# Altium PCB PM12_CFD.PcbDoc (part 7 of 12) (continued)
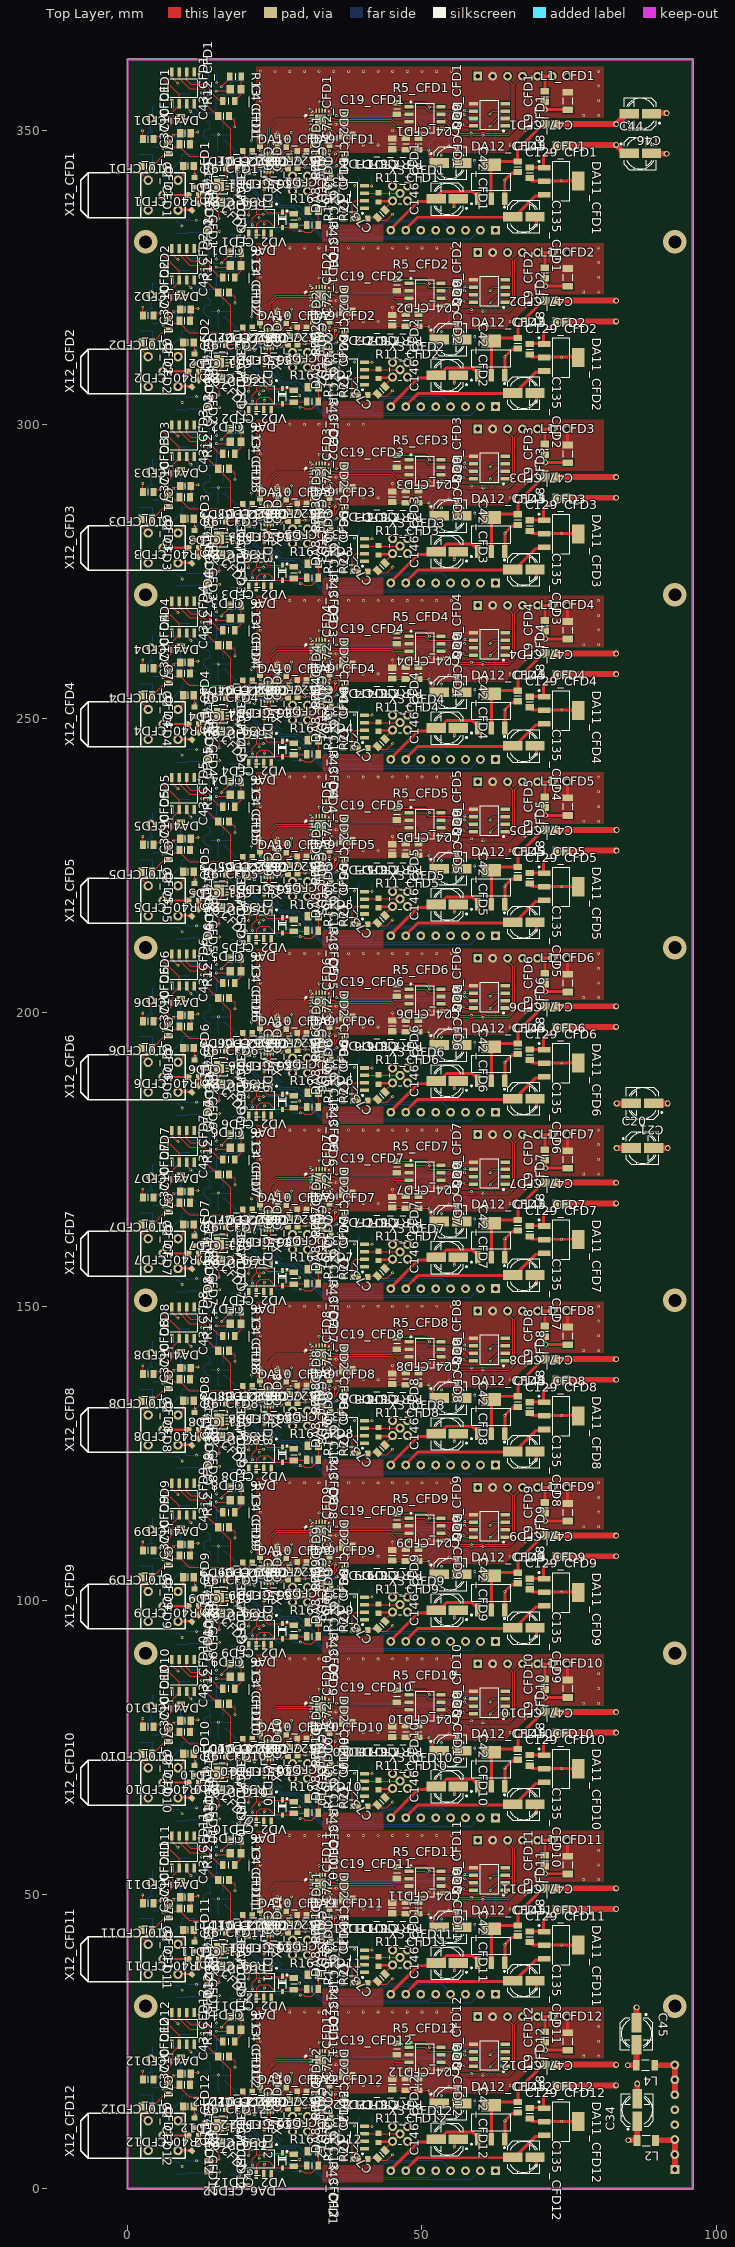
[diagram p0: Top Layer view]
## Nets (pads, with @x,y where several pads share a name; then routed paths per layer and width w, separated by ;. In a path a pad name is that pad's centre, name@x,y a point inside that pad or via, vN(x,y) a via of type N, cw(c..) or ccw(c..) an arc to the next point about the centre after c; other vN are vias at no path point) (continued)
  Top Layer w0.25: v1(55.77,346.55) 55.77,346.144 56.97,344.944 C42_CFD1.2@56.97,344.45 ; v1(55.8,16.55) 55.8,16.144 57,14.944 C42_CFD12.2@57,14.45 ; v1(55.8,46.55) 55.8,46.144 57,44.944 C42_CFD11.2@57,44.45 ; v1(55.8,76.55) 55.8,76.144 57,74.944 C42_CFD10.2@57,74.45 ; v1(55.8,106.55) 55.8,106.144 57,104.944 C42_CFD9.2@57,104.45 ; v1(55.8,136.55) 55.8,136.144 57,134.944 C42_CFD8.2@57,134.45 ; v1(55.8,166.55) 55.8,166.144 57,164.944 C42_CFD7.2@57,164.45 ; v1(55.8,196.55) 55.8,196.144 57,194.944 C42_CFD6.2@57,194.45 ; v1(55.8,226.55) 55.8,226.144 57,224.944 C42_CFD5.2@57,224.45 ; v1(55.8,256.55) 55.8,256.144 57,254.944 C42_CFD4.2@57,254.45 ; v1(55.8,286.55) 55.8,286.144 57,284.944 C42_CFD3.2@57,284.45 ; v1(55.8,316.55) 55.8,316.144 57,314.944 C42_CFD2.2@57,314.45
  Top Layer w0.4: X12_CFD1.2@8.51,336.46 R4_CFD1.1@11,336.46 ; X12_CFD12.2@8.54,6.46 R4_CFD12.1@11.03,6.46 ; X12_CFD11.2@8.54,36.46 R4_CFD11.1@11.03,36.46 ; X12_CFD10.2@8.54,66.46 R4_CFD10.1@11.03,66.46 ; X12_CFD9.2@8.54,96.46 R4_CFD9.1@11.03,96.46 ; X12_CFD8.2@8.54,126.46 R4_CFD8.1@11.03,126.46 ; X12_CFD7.2@8.54,156.46 R4_CFD7.1@11.03,156.46 ; X12_CFD6.2@8.54,186.46 R4_CFD6.1@11.03,186.46 ; X12_CFD5.2@8.54,216.46 R4_CFD5.1@11.03,216.46 ; X12_CFD4.2@8.54,246.46 R4_CFD4.1@11.03,246.46 ; X12_CFD3.2@8.54,276.46 R4_CFD3.1@11.03,276.46 ; X12_CFD2.2@8.54,306.46 R4_CFD2.1@11.03,306.46 ; R11_CFD1.1@42.57,337.92 X3_CFD1.2@44.92,337.92 ; R11_CFD12.1@42.6,7.92 X3_CFD12.2@44.95,7.92 ; R11_CFD11.1@42.6,37.92 X3_CFD11.2@44.95,37.92 ; R11_CFD10.1@42.6,67.92 X3_CFD10.2@44.95,67.92 ; R11_CFD9.1@42.6,97.92 X3_CFD9.2@44.95,97.92 ; R11_CFD8.1@42.6,127.92 X3_CFD8.2@44.95,127.92 ; R11_CFD7.1@42.6,157.92 X3_CFD7.2@44.95,157.92 ; R11_CFD6.1@42.6,187.92 X3_CFD6.2@44.95,187.92 ; R11_CFD5.1@42.6,217.92 X3_CFD5.2@44.95,217.92 ; R11_CFD4.1@42.6,247.92 X3_CFD4.2@44.95,247.92 ; R11_CFD3.1@42.6,277.92 X3_CFD3.2@44.95,277.92 ; R11_CFD2.1@42.6,307.92 X3_CFD2.2@44.95,307.92
  Top Layer w0.5: v1(55.47,337) C146_CFD1.1@55.47,338.4 ; v1(55.5,7) C146_CFD12.1@55.5,8.4 ; v1(55.5,37) C146_CFD11.1@55.5,38.4 ; v1(55.5,67) C146_CFD10.1@55.5,68.4 ; v1(55.5,97) C146_CFD9.1@55.5,98.4 ; v1(55.5,127) C146_CFD8.1@55.5,128.4 ; v1(55.5,157) C146_CFD7.1@55.5,158.4 ; v1(55.5,187) C146_CFD6.1@55.5,188.4 ; v1(55.5,217) C146_CFD5.1@55.5,218.4 ; v1(55.5,247) C146_CFD4.1@55.5,248.4 ; v1(55.5,277) C146_CFD3.1@55.5,278.4 ; v1(55.5,307) C146_CFD2.1@55.5,308.4 ; DA12_CFD1.3@64.07,338.4 v1(64.07,341.5) 65.27,342.7 C145_CFD1.1@66.27,342.7 ; DA12_CFD12.3@64.1,8.4 v1(64.1,11.5) 65.3,12.7 C145_CFD12.1@66.3,12.7 ; DA12_CFD11.3@64.1,38.4 v1(64.1,41.5) 65.3,42.7 C145_CFD11.1@66.3,42.7 ; DA12_CFD10.3@64.1,68.4 v1(64.1,71.5) 65.3,72.7 C145_CFD10.1@66.3,72.7 ; DA12_CFD9.3@64.1,98.4 v1(64.1,101.5) 65.3,102.7 C145_CFD9.1@66.3,102.7 ; DA12_CFD8.3@64.1,128.4 v1(64.1,131.5) 65.3,132.7 C145_CFD8.1@66.3,132.7 ; DA12_CFD7.3@64.1,158.4 v1(64.1,161.5) 65.3,162.7 C145_CFD7.1@66.3,162.7 ; DA12_CFD6.3@64.1,188.4 v1(64.1,191.5) 65.3,192.7 C145_CFD6.1@66.3,192.7 ; DA12_CFD5.3@64.1,218.4 v1(64.1,221.5) 65.3,222.7 C145_CFD5.1@66.3,222.7 ; DA12_CFD4.3@64.1,248.4 v1(64.1,251.5) 65.3,252.7 C145_CFD4.1@66.3,252.7 ; DA12_CFD3.3@64.1,278.4 v1(64.1,281.5) 65.3,282.7 C145_CFD3.1@66.3,282.7 ; DA12_CFD2.3@64.1,308.4 v1(64.1,311.5) 65.3,312.7 C145_CFD2.1@66.3,312.7 ; C129_CFD1.1@68.37,341.677 68.647,341.4 70.67,341.4 v1(73.67,341.4) DA11_CFD1.4@76.97,341.4 ; C129_CFD12.1@68.4,11.677 68.677,11.4 70.7,11.4 v1(73.7,11.4) DA11_CFD12.4@77,11.4 ; C129_CFD11.1@68.4,41.677 68.677,41.4 70.7,41.4 v1(73.7,41.4) DA11_CFD11.4@77,41.4 ; C129_CFD10.1@68.4,71.677 68.677,71.4 70.7,71.4 v1(73.7,71.4) DA11_CFD10.4@77,71.4 ; C129_CFD9.1@68.4,101.677 68.677,101.4 70.7,101.4 v1(73.7,101.4) DA11_CFD9.4@77,101.4 ; C129_CFD8.1@68.4,131.677 68.677,131.4 70.7,131.4 v1(73.7,131.4) DA11_CFD8.4@77,131.4 ; C129_CFD7.1@68.4,161.677 68.677,161.4 70.7,161.4 v1(73.7,161.4) DA11_CFD7.4@77,161.4 ; C129_CFD6.1@68.4,191.677 68.677,191.4 70.7,191.4 v1(73.7,191.4) DA11_CFD6.4@77,191.4 ; C129_CFD5.1@68.4,221.677 68.677,221.4 70.7,221.4 v1(73.7,221.4) DA11_CFD5.4@77,221.4 ; C129_CFD4.1@68.4,251.677 68.677,251.4 70.7,251.4 v1(73.7,251.4) DA11_CFD4.4@77,251.4 ; C129_CFD3.1@68.4,281.677 68.677,281.4 70.7,281.4 v1(73.7,281.4) DA11_CFD3.4@77,281.4 ; C129_CFD2.1@68.4,311.677 68.677,311.4 70.7,311.4 v1(73.7,311.4) DA11_CFD2.4@77,311.4 ; v1(69.47,333.8) C135_CFD1.2@69.47,335.3 ; v1(69.5,3.8) C135_CFD12.2@69.5,5.3 ; v1(69.5,33.8) C135_CFD11.2@69.5,35.3 ; v1(69.5,63.8) C135_CFD10.2@69.5,65.3 ; v1(69.5,93.8) C135_CFD9.2@69.5,95.3 ; v1(69.5,123.8) C135_CFD8.2@69.5,125.3 ; v1(69.5,153.8) C135_CFD7.2@69.5,155.3 ; v1(69.5,183.8) C135_CFD6.2@69.5,185.3 ; v1(69.5,213.8) C135_CFD5.2@69.5,215.3 ; v1(69.5,243.8) C135_CFD4.2@69.5,245.3 ; v1(69.5,273.8) C135_CFD3.2@69.5,275.3 ; v1(69.5,303.8) C135_CFD2.2@69.5,305.3 ; C47_CFD1.1@74.7,356.6 C47_CFD1.1@74.71,356.61 ; C47_CFD12.1@74.73,26.6 74.74,26.61 X13_CFD12.7@74.74,29.2 ; C47_CFD11.1@74.73,56.6 74.74,56.61 X13_CFD11.7@74.74,59.2 ; C47_CFD10.1@74.73,86.6 74.74,86.61 X13_CFD10.7@74.74,89.2 ; C47_CFD9.1@74.73,116.6 74.74,116.61 X13_CFD9.7@74.74,119.2 ; C47_CFD8.1@74.73,146.6 74.74,146.61 X13_CFD8.7@74.74,149.2 ; C47_CFD7.1@74.73,176.6 74.74,176.61 X13_CFD7.7@74.74,179.2 ; C47_CFD6.1@74.73,206.6 74.74,206.61 X13_CFD6.7@74.74,209.2 ; C47_CFD5.1@74.73,236.6 74.74,236.61 X13_CFD5.7@74.74,239.2 ; C47_CFD4.1@74.73,266.6 74.74,266.61 X13_CFD4.7@74.74,269.2 ; C47_CFD3.1@74.73,296.6 74.74,296.61 X13_CFD3.7@74.74,299.2 ; C47_CFD2.1@74.73,326.6 C47_CFD2.1@74.74,326.61
  Top Layer w1: C45.1@86.5,28.429 v2(86.5,30.8) ; C34.2@86.6,15.5 v2(86.6,17.8) ; C44.2@89.3,346 v2(91.6,346) ; C46.1@89.3,352.9 v2(91.6,352.9) ; C20.2@89.6,176.9 v2(91.8,176.9) ; C21.1@89.6,184.5 v2(91.8,184.5)
  Bottom Layer w0.2: C41_CFD1.1@9.77,334.8 9.82,334.85 9.97,334.7 10.2,334.7 v1(11.6,334.7) 12.32,334.7 DA1_CFD1.4@12.47,334.85 ; C41_CFD12.1@9.8,4.8 9.85,4.85 10,4.7 10.23,4.7 v1(11.63,4.7) 12.35,4.7 DA1_CFD12.4@12.5,4.85 ; C41_CFD11.1@9.8,34.8 9.85,34.85 10,34.7 10.23,34.7 v1(11.63,34.7) 12.35,34.7 DA1_CFD11.4@12.5,34.85 ; C41_CFD10.1@9.8,64.8 9.85,64.85 10,64.7 10.23,64.7 v1(11.63,64.7) 12.35,64.7 DA1_CFD10.4@12.5,64.85 ; C41_CFD9.1@9.8,94.8 9.85,94.85 10,94.7 10.23,94.7 v1(11.63,94.7) 12.35,94.7 DA1_CFD9.4@12.5,94.85 ; C41_CFD8.1@9.8,124.8 9.85,124.85 10,124.7 10.23,124.7 v1(11.63,124.7) 12.35,124.7 DA1_CFD8.4@12.5,124.85 ; C41_CFD7.1@9.8,154.8 9.85,154.85 10,154.7 10.23,154.7 v1(11.63,154.7) 12.35,154.7 DA1_CFD7.4@12.5,154.85 ; C41_CFD6.1@9.8,184.8 9.85,184.85 10,184.7 10.23,184.7 v1(11.63,184.7) 12.35,184.7 DA1_CFD6.4@12.5,184.85 ; C41_CFD5.1@9.8,214.8 9.85,214.85 10,214.7 10.23,214.7 v1(11.63,214.7) 12.35,214.7 DA1_CFD5.4@12.5,214.85 ; C41_CFD4.1@9.8,244.8 9.85,244.85 10,244.7 10.23,244.7 v1(11.63,244.7) 12.35,244.7 DA1_CFD4.4@12.5,244.85 ; C41_CFD3.1@9.8,274.8 9.85,274.85 10,274.7 10.23,274.7 11.63,274.7 12.35,274.7 DA1_CFD3.4@12.5,274.85 ; C41_CFD2.1@9.8,304.8 9.85,304.85 10,304.7 10.23,304.7 v1(11.63,304.7) 12.35,304.7 DA1_CFD2.4@12.5,304.85 ; DA3_CFD1.2@13.92,349.25 v1(15.37,349.25) ; DA3_CFD12.2@13.95,19.25 v1(15.4,19.25) ; DA3_CFD11.2@13.95,49.25 v1(15.4,49.25) ; DA3_CFD10.2@13.95,79.25 v1(15.4,79.25) ; DA3_CFD9.2@13.95,109.25 v1(15.4,109.25) ; DA3_CFD8.2@13.95,139.25 v1(15.4,139.25) ; DA3_CFD7.2@13.95,169.25 v1(15.4,169.25) ; DA3_CFD6.2@13.95,199.25 v1(15.4,199.25) ; DA3_CFD5.2@13.95,229.25 v1(15.4,229.25) ; DA3_CFD4.2@13.95,259.25 v1(15.4,259.25) ; DA3_CFD3.2@13.95,289.25 v1(15.4,289.25) ; DA3_CFD2.2@13.95,319.25 v1(15.4,319.25) ; DA1_CFD1.1@14.37,332.6 14.57,332.8 v1(15.52,332.8) ; DA1_CFD12.1@14.4,2.6 14.6,2.8 v1(15.55,2.8) ; DA1_CFD11.1@14.4,32.6 14.6,32.8 v1(15.55,32.8) ; DA1_CFD10.1@14.4,62.6 14.6,62.8 v1(15.55,62.8) ; DA1_CFD9.1@14.4,92.6 14.6,92.8 v1(15.55,92.8) ; DA1_CFD8.1@14.4,122.6 14.6,122.8 v1(15.55,122.8) ; DA1_CFD7.1@14.4,152.6 14.6,152.8 v1(15.55,152.8) ; DA1_CFD6.1@14.4,182.6 14.6,182.8 v1(15.55,182.8) ; DA1_CFD5.1@14.4,212.6 14.6,212.8 v1(15.55,212.8) ; DA1_CFD4.1@14.4,242.6 14.6,242.8 v1(15.55,242.8) ; DA1_CFD3.1@14.4,272.6 14.6,272.8 v1(15.55,272.8) ; DA1_CFD2.1@14.4,302.6 14.6,302.8 v1(15.55,302.8) ; C1_CFD1.1@15.45,346.5 15.295,346.655 15.295,349.175 v1(15.37,349.25) ; C1_CFD12.1@15.48,16.5 15.325,16.655 15.325,19.175 v1(15.4,19.25) ; C1_CFD11.1@15.48,46.5 15.325,46.655 15.325,49.175 v1(15.4,49.25) ; C1_CFD10.1@15.48,76.5 15.325,76.655 15.325,79.175 v1(15.4,79.25) ; C1_CFD9.1@15.48,106.5 15.325,106.655 15.325,109.175 v1(15.4,109.25) ; C1_CFD8.1@15.48,136.5 15.325,136.655 15.325,139.175 v1(15.4,139.25) ; C1_CFD7.1@15.48,166.5 15.325,166.655 15.325,169.175 v1(15.4,169.25) ; C1_CFD6.1@15.48,196.5 15.325,196.655 15.325,199.175 v1(15.4,199.25) ; C1_CFD5.1@15.48,226.5 15.325,226.655 15.325,229.175 v1(15.4,229.25) ; C1_CFD4.1@15.48,256.5 15.325,256.655 15.325,259.175 v1(15.4,259.25) ; C1_CFD3.1@15.48,286.5 15.325,286.655 15.325,289.175 v1(15.4,289.25) ; C1_CFD2.1@15.48,316.5 15.325,316.655 15.325,319.175 v1(15.4,319.25) ; C7_CFD1.1@17.7,349.15 17.6,349.25 v1(15.37,349.25) ; C7_CFD12.1@17.73,19.15 17.63,19.25 v1(15.4,19.25) ; C7_CFD11.1@17.73,49.15 17.63,49.25 v1(15.4,49.25) ; C7_CFD10.1@17.73,79.15 17.63,79.25 v1(15.4,79.25) ; C7_CFD9.1@17.73,109.15 17.63,109.25 v1(15.4,109.25) ; C7_CFD8.1@17.73,139.15 17.63,139.25 v1(15.4,139.25) ; C7_CFD7.1@17.73,169.15 17.63,169.25 v1(15.4,169.25) ; C7_CFD6.1@17.73,199.15 17.63,199.25 v1(15.4,199.25) ; C7_CFD5.1@17.73,229.15 17.63,229.25 v1(15.4,229.25) ; C7_CFD4.1@17.73,259.15 17.63,259.25 v1(15.4,259.25) ; C7_CFD3.1@17.73,289.15 17.63,289.25 v1(15.4,289.25) ; C7_CFD2.1@17.73,319.15 17.63,319.25 v1(15.4,319.25) ; v1(18.17,350.6) C6_CFD1.1@18.17,352.2 ; v1(18.2,20.6) C6_CFD12.1@18.2,22.2 ; v1(18.2,50.6) C6_CFD11.1@18.2,52.2 ; v1(18.2,80.6) C6_CFD10.1@18.2,82.2 ; v1(18.2,110.6) C6_CFD9.1@18.2,112.2 ; v1(18.2,140.6) C6_CFD8.1@18.2,142.2 ; v1(18.2,170.6) C6_CFD7.1@18.2,172.2 ; v1(18.2,200.6) C6_CFD6.1@18.2,202.2 ; v1(18.2,230.6) C6_CFD5.1@18.2,232.2 ; v1(18.2,260.6) C6_CFD4.1@18.2,262.2 ; v1(18.2,290.6) C6_CFD3.1@18.2,292.2 ; v1(18.2,320.6) C6_CFD2.1@18.2,322.2 ; C28_CFD1.1@26.67,339.68 X4_CFD1.2@28,339.68 ; C28_CFD12.1@26.7,9.68 X4_CFD12.2@28.03,9.68 ; C28_CFD11.1@26.7,39.68 X4_CFD11.2@28.03,39.68 ; C28_CFD10.1@26.7,69.68 X4_CFD10.2@28.03,69.68 ; C28_CFD9.1@26.7,99.68 X4_CFD9.2@28.03,99.68 ; C28_CFD8.1@26.7,129.68 X4_CFD8.2@28.03,129.68 ; C28_CFD7.1@26.7,159.68 X4_CFD7.2@28.03,159.68 ; C28_CFD6.1@26.7,189.68 X4_CFD6.2@28.03,189.68 ; C28_CFD5.1@26.7,219.68 X4_CFD5.2@28.03,219.68 ; C28_CFD4.1@26.7,249.68 X4_CFD4.2@28.03,249.68 ; C28_CFD3.1@26.7,279.68 X4_CFD3.2@28.03,279.68 ; C28_CFD2.1@26.7,309.68 X4_CFD2.2@28.03,309.68 ; C12_CFD1.1@28,335.7 28,335.97 29.07,334.9 v1(29.17,334.9) ; C12_CFD12.1@28.03,5.7 28.03,5.97 29.1,4.9 v1(29.2,4.9) ; C12_CFD11.1@28.03,35.7 28.03,35.97 29.1,34.9 v1(29.2,34.9) ; C12_CFD10.1@28.03,65.7 28.03,65.97 29.1,64.9 v1(29.2,64.9) ; C12_CFD9.1@28.03,95.7 28.03,95.97 29.1,94.9 v1(29.2,94.9) ; C12_CFD8.1@28.03,125.7 28.03,125.97 29.1,124.9 v1(29.2,124.9) ; C12_CFD7.1@28.03,155.7 28.03,155.97 29.1,154.9 v1(29.2,154.9) ; C12_CFD6.1@28.03,185.7 28.03,185.97 29.1,184.9 v1(29.2,184.9) ; C12_CFD5.1@28.03,215.7 28.03,215.97 29.1,214.9 v1(29.2,214.9) ; C12_CFD4.1@28.03,245.7 28.03,245.97 29.1,244.9 v1(29.2,244.9) ; C12_CFD3.1@28.03,275.7 28.03,275.97 29.1,274.9 v1(29.2,274.9) ; C12_CFD2.1@28.03,305.7 28.03,305.97 29.1,304.9 v1(29.2,304.9) ; v1(38.5,340.6) 39.3,341.4 C38_CFD1.1@39.3,342.1 ; v1(38.53,10.6) 39.33,11.4 C38_CFD12.1@39.33,12.1 ; v1(38.53,40.6) 39.33,41.4 C38_CFD11.1@39.33,42.1 ; v1(38.53,70.6) 39.33,71.4 C38_CFD10.1@39.33,72.1 ; v1(38.53,100.6) 39.33,101.4 C38_CFD9.1@39.33,102.1 ; v1(38.53,130.6) 39.33,131.4 C38_CFD8.1@39.33,132.1 ; v1(38.53,160.6) 39.33,161.4 C38_CFD7.1@39.33,162.1 ; v1(38.53,190.6) 39.33,191.4 C38_CFD6.1@39.33,192.1 ; v1(38.53,220.6) 39.33,221.4 C38_CFD5.1@39.33,222.1 ; v1(38.53,250.6) 39.33,251.4 C38_CFD4.1@39.33,252.1 ; v1(38.53,280.6) 39.33,281.4 pad.1@39.33,282.1 ; v1(38.53,310.6) 39.33,311.4 C38_CFD2.1@39.33,312.1 ; X3_CFD1.2@47.54,338 X3_CFD1.2@47.62,337.92 ; X3_CFD12.2@47.57,8 X3_CFD12.2@47.65,7.92 ; X3_CFD11.2@47.57,38 X3_CFD11.2@47.65,37.92 ; X3_CFD10.2@47.57,68 X3_CFD10.2@47.65,67.92 ; X3_CFD9.2@47.57,98 X3_CFD9.2@47.65,97.92 ; X3_CFD8.2@47.57,128 X3_CFD8.2@47.65,127.92 ; X3_CFD7.2@47.57,158 X3_CFD7.2@47.65,157.92 ; X3_CFD6.2@47.57,188 X3_CFD6.2@47.65,187.92 ; X3_CFD5.2@47.57,218 X3_CFD5.2@47.65,217.92 ; X3_CFD4.2@47.57,248 X3_CFD4.2@47.65,247.92 ; X3_CFD3.2@47.57,278 X3_CFD3.2@47.65,277.92 ; X3_CFD2.2@47.57,308 X3_CFD2.2@47.65,307.92 ; C26_CFD1.1@49.685,351.286 50.285,351.286 v1(51.185,350.386) ; C26_CFD12.1@49.715,21.286 50.315,21.286 v1(51.215,20.386) ; C26_CFD11.1@49.715,51.286 50.315,51.286 v1(51.215,50.386) ; C26_CFD10.1@49.715,81.286 50.315,81.286 v1(51.215,80.386) ; C26_CFD9.1@49.715,111.286 50.315,111.286 v1(51.215,110.386) ; C26_CFD8.1@49.715,141.286 50.315,141.286 v1(51.215,140.386) ; C26_CFD7.1@49.715,171.286 50.315,171.286 v1(51.215,170.386) ; C26_CFD6.1@49.715,201.286 50.315,201.286 v1(51.215,200.386) ; C26_CFD5.1@49.715,231.286 50.315,231.286 v1(51.215,230.386) ; C26_CFD4.1@49.715,261.286 50.315,261.286 v1(51.215,260.386) ; C26_CFD3.1@49.715,291.286 50.315,291.286 v1(51.215,290.386) ; C26_CFD2.1@49.715,321.286 50.315,321.286 v1(51.215,320.386)
  Bottom Layer w0.25: DA13_CFD1.3@54.544,343.8 DA13_CFD1.2@55.814,343.8 ; v1(54.57,347.3) 54.57,348.774 54.544,348.8 DA13_CFD1.7@55.814,348.8 ; DA13_CFD12.3@54.574,13.8 DA13_CFD12.2@55.844,13.8 ; DA13_CFD11.3@54.574,43.8 DA13_CFD11.2@55.844,43.8 ; DA13_CFD10.3@54.574,73.8 DA13_CFD10.2@55.844,73.8 ; DA13_CFD9.3@54.574,103.8 DA13_CFD9.2@55.844,103.8 ; DA13_CFD8.3@54.574,133.8 DA13_CFD8.2@55.844,133.8 ; DA13_CFD7.3@54.574,163.8 DA13_CFD7.2@55.844,163.8 ; DA13_CFD6.3@54.574,193.8 DA13_CFD6.2@55.844,193.8 ; DA13_CFD5.3@54.574,223.8 DA13_CFD5.2@55.844,223.8 ; DA13_CFD4.3@54.574,253.8 DA13_CFD4.2@55.844,253.8 ; DA13_CFD3.3@54.574,283.8 DA13_CFD3.2@55.844,283.8 ; DA13_CFD2.3@54.574,313.8 DA13_CFD2.2@55.844,313.8 ; v1(54.6,17.3) 54.6,18.774 54.574,18.8 DA13_CFD12.7@55.844,18.8 ; v1(54.6,47.3) 54.6,48.774 54.574,48.8 DA13_CFD11.7@55.844,48.8 ; v1(54.6,77.3) 54.6,78.774 54.574,78.8 DA13_CFD10.7@55.844,78.8 ; v1(54.6,107.3) 54.6,108.774 54.574,108.8 DA13_CFD9.7@55.844,108.8 ; v1(54.6,137.3) 54.6,138.774 54.574,138.8 DA13_CFD8.7@55.844,138.8 ; v1(54.6,167.3) 54.6,168.774 54.574,168.8 DA13_CFD7.7@55.844,168.8 ; v1(54.6,197.3) 54.6,198.774 54.574,198.8 DA13_CFD6.7@55.844,198.8 ; v1(54.6,227.3) 54.6,228.774 54.574,228.8 DA13_CFD5.7@55.844,228.8 ; v1(54.6,257.3) 54.6,258.774 54.574,258.8 DA13_CFD4.7@55.844,258.8 ; v1(54.6,287.3) 54.6,288.774 54.574,288.8 DA13_CFD3.7@55.844,288.8 ; v1(54.6,317.3) 54.6,318.774 54.574,318.8 DA13_CFD2.7@55.844,318.8 ; C29_CFD1.1@55.274,341.6 55.814,342.14 DA13_CFD1.2@55.814,343.8 ; C29_CFD12.1@55.304,11.6 55.844,12.14 DA13_CFD12.2@55.844,13.8 ; C29_CFD11.1@55.304,41.6 55.844,42.14 DA13_CFD11.2@55.844,43.8 ; C29_CFD10.1@55.304,71.6 55.844,72.14 DA13_CFD10.2@55.844,73.8 ; C29_CFD9.1@55.304,101.6 55.844,102.14 DA13_CFD9.2@55.844,103.8 ; C29_CFD8.1@55.304,131.6 55.844,132.14 DA13_CFD8.2@55.844,133.8 ; C29_CFD7.1@55.304,161.6 55.844,162.14 DA13_CFD7.2@55.844,163.8 ; C29_CFD6.1@55.304,191.6 55.844,192.14 DA13_CFD6.2@55.844,193.8 ; C29_CFD5.1@55.304,221.6 55.844,222.14 DA13_CFD5.2@55.844,223.8 ; C29_CFD4.1@55.304,251.6 55.844,252.14 DA13_CFD4.2@55.844,253.8 ; C29_CFD3.1@55.304,281.6 55.844,282.14 DA13_CFD3.2@55.844,283.8 ; C29_CFD2.1@55.304,311.6 55.844,312.14 DA13_CFD2.2@55.844,313.8 ; v1(55.77,346.55) 55.77,343.844 DA13_CFD1.2@55.814,343.8 ; v1(55.8,16.55) 55.8,13.844 DA13_CFD12.2@55.844,13.8 ; v1(55.8,46.55) 55.8,43.844 DA13_CFD11.2@55.844,43.8 ; v1(55.8,76.55) 55.8,73.844 DA13_CFD10.2@55.844,73.8 ; v1(55.8,106.55) 55.8,103.844 DA13_CFD9.2@55.844,103.8 ; v1(55.8,136.55) 55.8,133.844 DA13_CFD8.2@55.844,133.8 ; v1(55.8,166.55) 55.8,163.844 DA13_CFD7.2@55.844,163.8 ; v1(55.8,196.55) 55.8,193.844 DA13_CFD6.2@55.844,193.8 ; v1(55.8,226.55) 55.8,223.844 DA13_CFD5.2@55.844,223.8 ; v1(55.8,256.55) 55.8,253.844 DA13_CFD4.2@55.844,253.8 ; v1(55.8,286.55) 55.8,283.844 DA13_CFD3.2@55.844,283.8 ; v1(55.8,316.55) 55.8,313.844 DA13_CFD2.2@55.844,313.8
  other v1: 34.81,3.5 41.1,3.5 34.63,5.22 16.6,7 37.5,17.5 40,17.5 42.5,17.5 65,17.5 30.3,18.8 67.5,20 22.5,22.5 70,22.5 77.5,22.5 80,22.5 22.5,25 80,25 22.5,27.5 80,27.5 22.5,30 25,30 27.5,30 30,30 32.5,30 35,30 37.5,30 40,30 42.5,30 45,30 47.5,30 50,30 52.5,30 55,30 80,30 34.81,33.5 41.1,33.5 34.63,35.22 16.6,37 37.5,47.5 40,47.5 42.5,47.5 65,47.5 67.5,50 22.5,52.5 70,52.5 77.5,52.5 80,52.5 22.5,55 80,55 22.5,57.5 80,57.5 22.5,60 25,60 27.5,60 30,60 32.5,60 35,60 37.5,60 40,60 42.5,60 45,60 47.5,60 50,60 52.5,60 55,60 80,60 34.81,63.5 41.1,63.5 34.63,65.22 37.5,77.5 40,77.5 42.5,77.5 65,77.5 30.3,78.8 67.5,80 22.5,82.5 70,82.5 77.5,82.5 80,82.5 22.5,85 80,85 22.5,87.5 80,87.5 22.5,90 25,90 27.5,90 30,90 32.5,90 35,90 37.5,90 40,90 42.5,90 45,90 47.5,90 50,90 52.5,90 55,90 80,90 34.81,93.5 41.1,93.5 34.63,95.22 37.5,107.5 40,107.5 42.5,107.5 65,107.5 67.5,110 22.5,112.5 70,112.5 77.5,112.5 80,112.5 22.5,115 80,115 22.5,117.5 80,117.5 22.5,120 25,120 27.5,120 30,120 32.5,120 35,120 37.5,120 40,120 42.5,120 45,120 47.5,120 50,120 52.5,120 55,120 80,120 34.81,123.5 41.1,123.5 34.63,125.22 37.5,137.5 40,137.5 42.5,137.5 65,137.5 30.3,138.8 67.5,140 22.5,142.5 70,142.5 77.5,142.5 80,142.5 22.5,145 80,145 22.5,147.5 80,147.5 22.5,150 25,150 27.5,150 30,150 32.5,150 35,150 37.5,150 40,150 42.5,150 45,150 47.5,150 50,150 52.5,150 55,150 80,150 34.81,153.5 41.1,153.5 34.63,155.22 16.6,157 37.5,167.5 40,167.5 42.5,167.5 65,167.5 30.3,168.8 67.5,170 22.5,172.5 70,172.5 77.5,172.5 80,172.5 22.5,175 80,175 22.5,177.5 80,177.5 22.5,180 25,180 27.5,180 30,180 32.5,180 35,180 37.5,180 40,180 42.5,180 45,180 47.5,180 50,180 52.5,180 55,180 80,180 34.81,183.5 41.1,183.5 34.63,185.22 37.5,197.5 40,197.5 42.5,197.5 65,197.5 30.3,198.8 67.5,200 22.5,202.5 70,202.5 77.5,202.5 80,202.5 22.5,205 80,205 22.5,207.5 80,207.5 22.5,210 25,210 27.5,210 30,210 32.5,210 35,210 37.5,210 40,210 42.5,210 45,210 47.5,210 50,210 52.5,210 55,210 80,210 34.81,213.5 41.1,213.5 34.63,215.22 16.6,217 37.5,227.5 40,227.5 42.5,227.5 65,227.5 67.5,230 22.5,232.5 70,232.5 77.5,232.5 80,232.5 22.5,235 80,235 22.5,237.5 80,237.5 22.5,240 25,240 27.5,240 30,240 32.5,240 35,240 37.5,240 40,240 42.5,240 45,240 47.5,240 50,240 52.5,240 55,240 80,240 34.81,243.5 41.1,243.5 29.2,244.9 34.63,245.22 37.5,257.5 40,257.5 42.5,257.5 65,257.5 67.5,260 22.5,262.5 70,262.5 77.5,262.5 80,262.5 22.5,265 80,265 22.5,267.5 80,267.5 22.5,270 25,270 27.5,270 30,270 32.5,270 35,270 37.5,270 40,270 42.5,270 45,270 47.5,270 50,270 52.5,270 55,270 80,270 34.81,273.5 41.1,273.5 34.63,275.22 40,287.5 42.5,287.5 65,287.5 67.5,290 22.5,292.5 70,292.5 22.5,295 22.5,297.5 22.5,300 25,300 27.5,300 30,300 32.5,300 35,300 37.5,300 40,300 34.81,303.5 41.1,303.5 34.63,305.22 37.5,317.5 40,317.5 42.5,317.5 65,317.5 30.3,318.8 67.5,320 22.5,322.5 70,322.5 77.5,322.5 80,322.5 22.5,325 80,325 22.5,327.5 80,327.5 22.5,330 25,330 27.5,330 30,330 32.5,330 35,330 37.5,330 40,330 42.5,330 45,330 47.5,330 50,330 52.5,330 55,330 80,330 34.78,333.5 41.07,333.5 34.6,335.22 37.5,347.5 40,347.5 42.5,347.5 65,347.5 30.27,348.8 35.37,348.8 37.5,349.1 22.5,349.6 25.37,349.58 44.97,349.9 67.5,350 35.37,351.03 22.5,352.5 70,352.5 77.5,352.5 80,352.5 57.084,354.537 22.5,355 80,355 22.5,357.5 80,357.5 22.5,360 25,360 27.5,360 30,360 32.5,360 35,360 37.5,360 40,360 42.5,360 45,360 47.5,360 50,360 52.5,360 55,360 80,360
  other v3: 30.3,48.8 16.6,67 16.6,97 30.3,108.8 16.6,127 16.6,187 30.3,228.8 16.6,247 30.3,258.8 16.6,307 16.57,337 30.27,348.8
  other v4: 93,31 93,91 93,151 93,211 93,271 93,331
LMH_CFD1_OUT: 
LMH_OUT_CFD1: DA7_CFD1.7 DA9_CFD1.2 DA10_CFD1.3 R39_CFD1.1 X4_CFD1.1 | length 18.9
  Top Layer w0.12: 24.22,340.95 DA10_CFD1.3@24.22,343 ; X4_CFD1.1@29.27,340.95 31.006,340.95 32.57,342.514 DA9_CFD1.2@32.57,343
  Top Layer w0.15: DA7_CFD1.7@16.87,340.95 23.17,340.95 24.22,340.95 X4_CFD1.1@29.27,340.95
LMH_OUT_CFD2: DA7_CFD2.7 DA9_CFD2.2 DA10_CFD2.3 R39_CFD2.1 X4_CFD2.1 | length 18.9
  Top Layer w0.12: 24.25,310.95 DA10_CFD2.3@24.25,313 ; X4_CFD2.1@29.3,310.95 31.036,310.95 32.6,312.514 DA9_CFD2.2@32.6,313
  Top Layer w0.15: DA7_CFD2.7@16.9,310.95 23.2,310.95 24.25,310.95 X4_CFD2.1@29.3,310.95
LMH_OUT_CFD3: DA7_CFD3.7 DA9_CFD3.2 DA10_CFD3.3 R39_CFD3.1 X4_CFD3.1 | length 18.9
  Top Layer w0.12: 24.25,280.95 DA10_CFD3.3@24.25,283 ; X4_CFD3.1@29.3,280.95 31.036,280.95 32.6,282.514 DA9_CFD3.2@32.6,283
  Top Layer w0.15: DA7_CFD3.7@16.9,280.95 23.2,280.95 24.25,280.95 X4_CFD3.1@29.3,280.95
LMH_OUT_CFD4: DA7_CFD4.7 DA9_CFD4.2 DA10_CFD4.3 R39_CFD4.1 X4_CFD4.1 | length 18.9
  Top Layer w0.12: 24.25,250.95 DA10_CFD4.3@24.25,253 ; X4_CFD4.1@29.3,250.95 31.036,250.95 32.6,252.514 DA9_CFD4.2@32.6,253
  Top Layer w0.15: DA7_CFD4.7@16.9,250.95 23.2,250.95 24.25,250.95 X4_CFD4.1@29.3,250.95